# Altium PCB c8t61.PcbDoc
Units mil, origin at the board's own origin, x right, y up, seen from the top; angles counter-clockwise.
Board outline 3290 x 3191.61 mil, 2 copper layers (Top Layer, Bottom Layer); 81 components, 47 nets, 395 pads, 83 vias.
Unrouted connection lines stored in the file: 7.
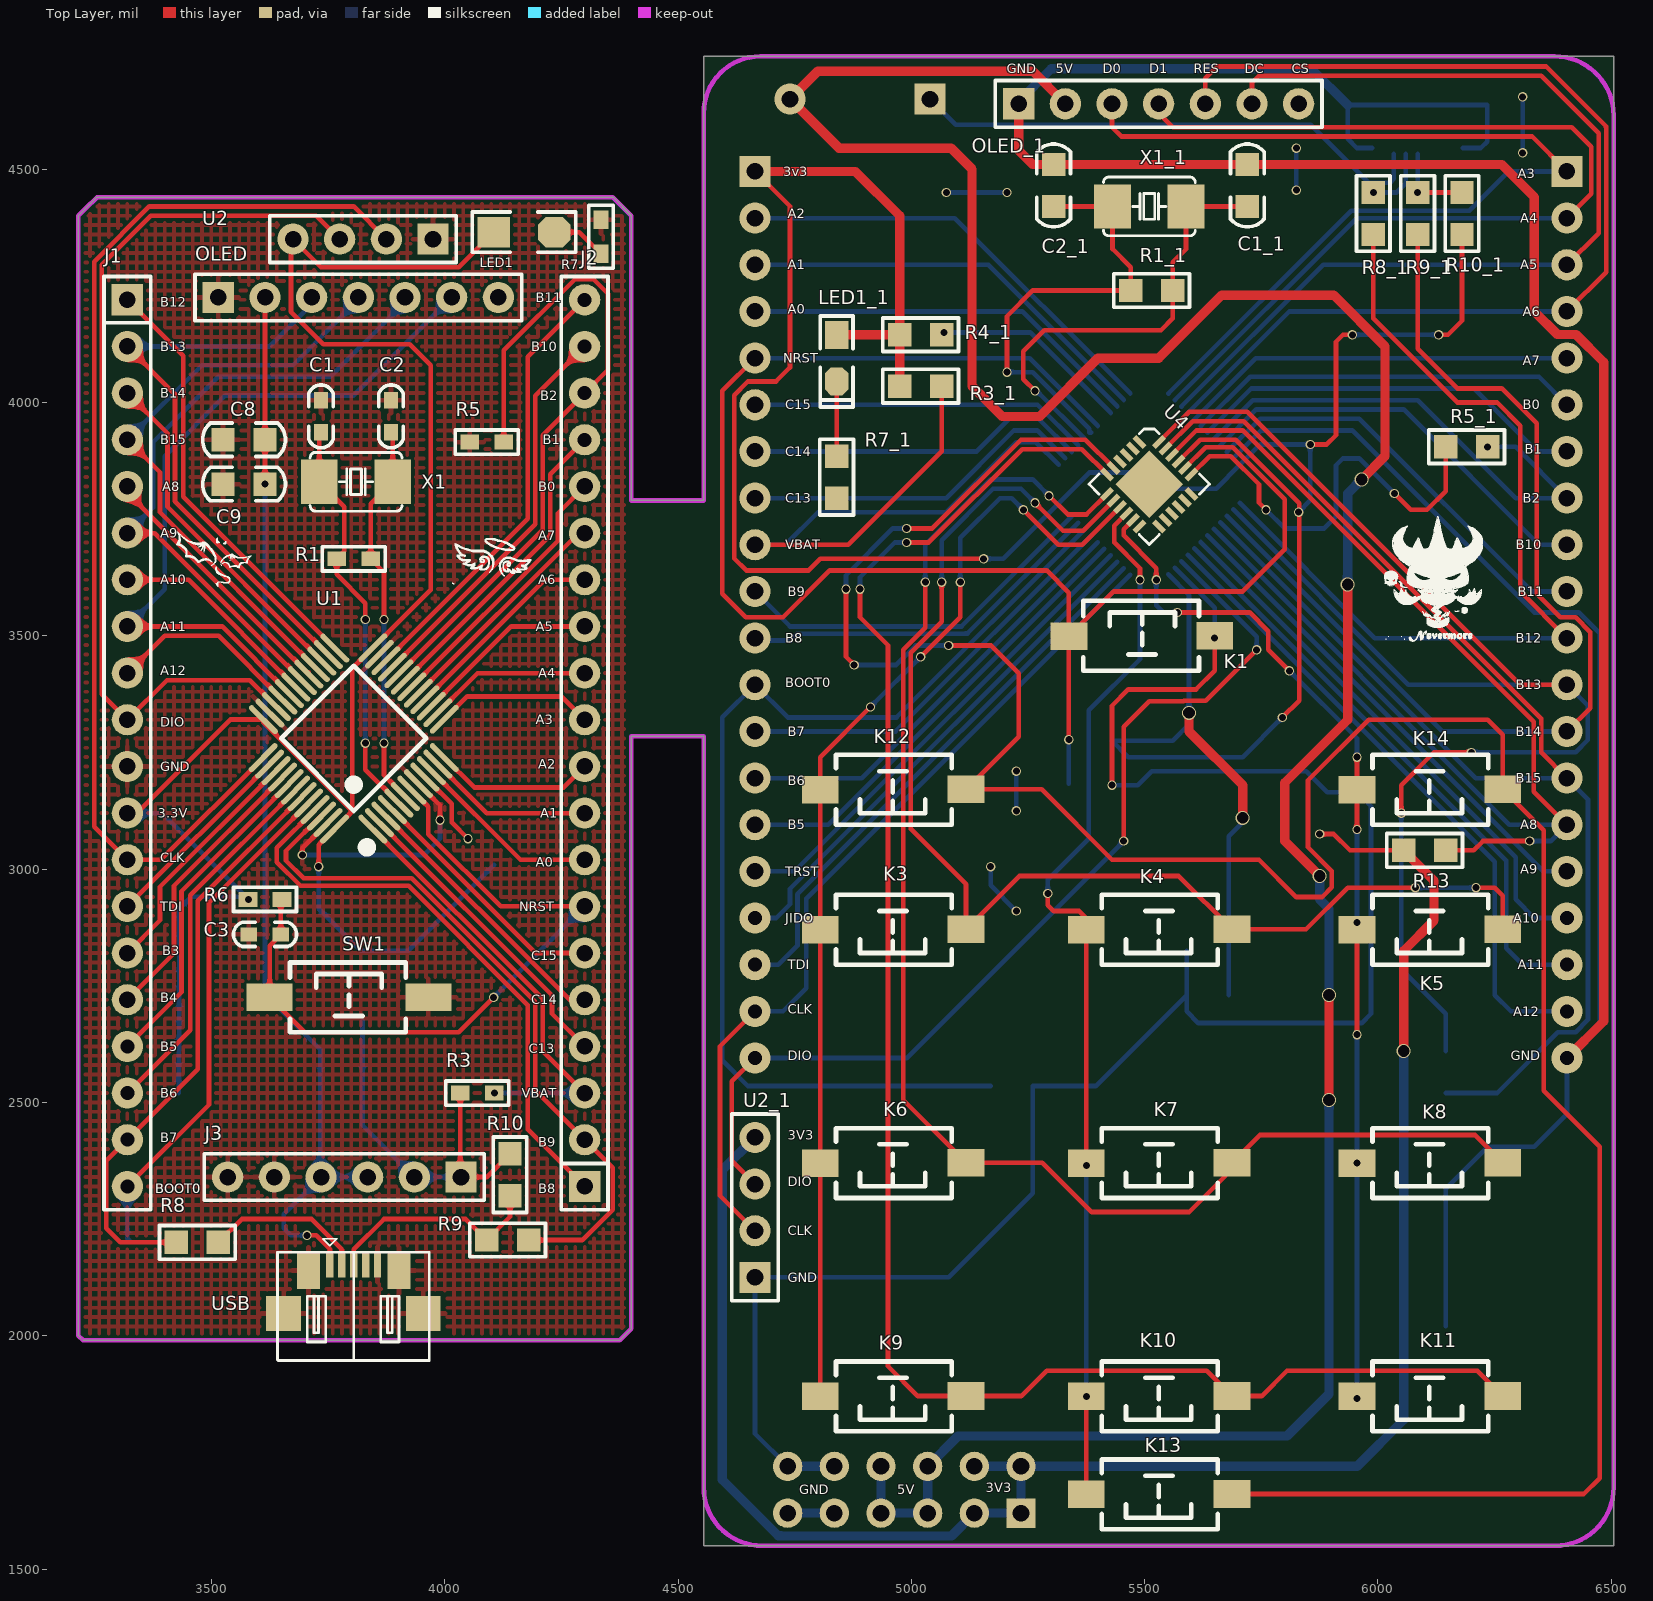
[diagram p0: Top Layer view]
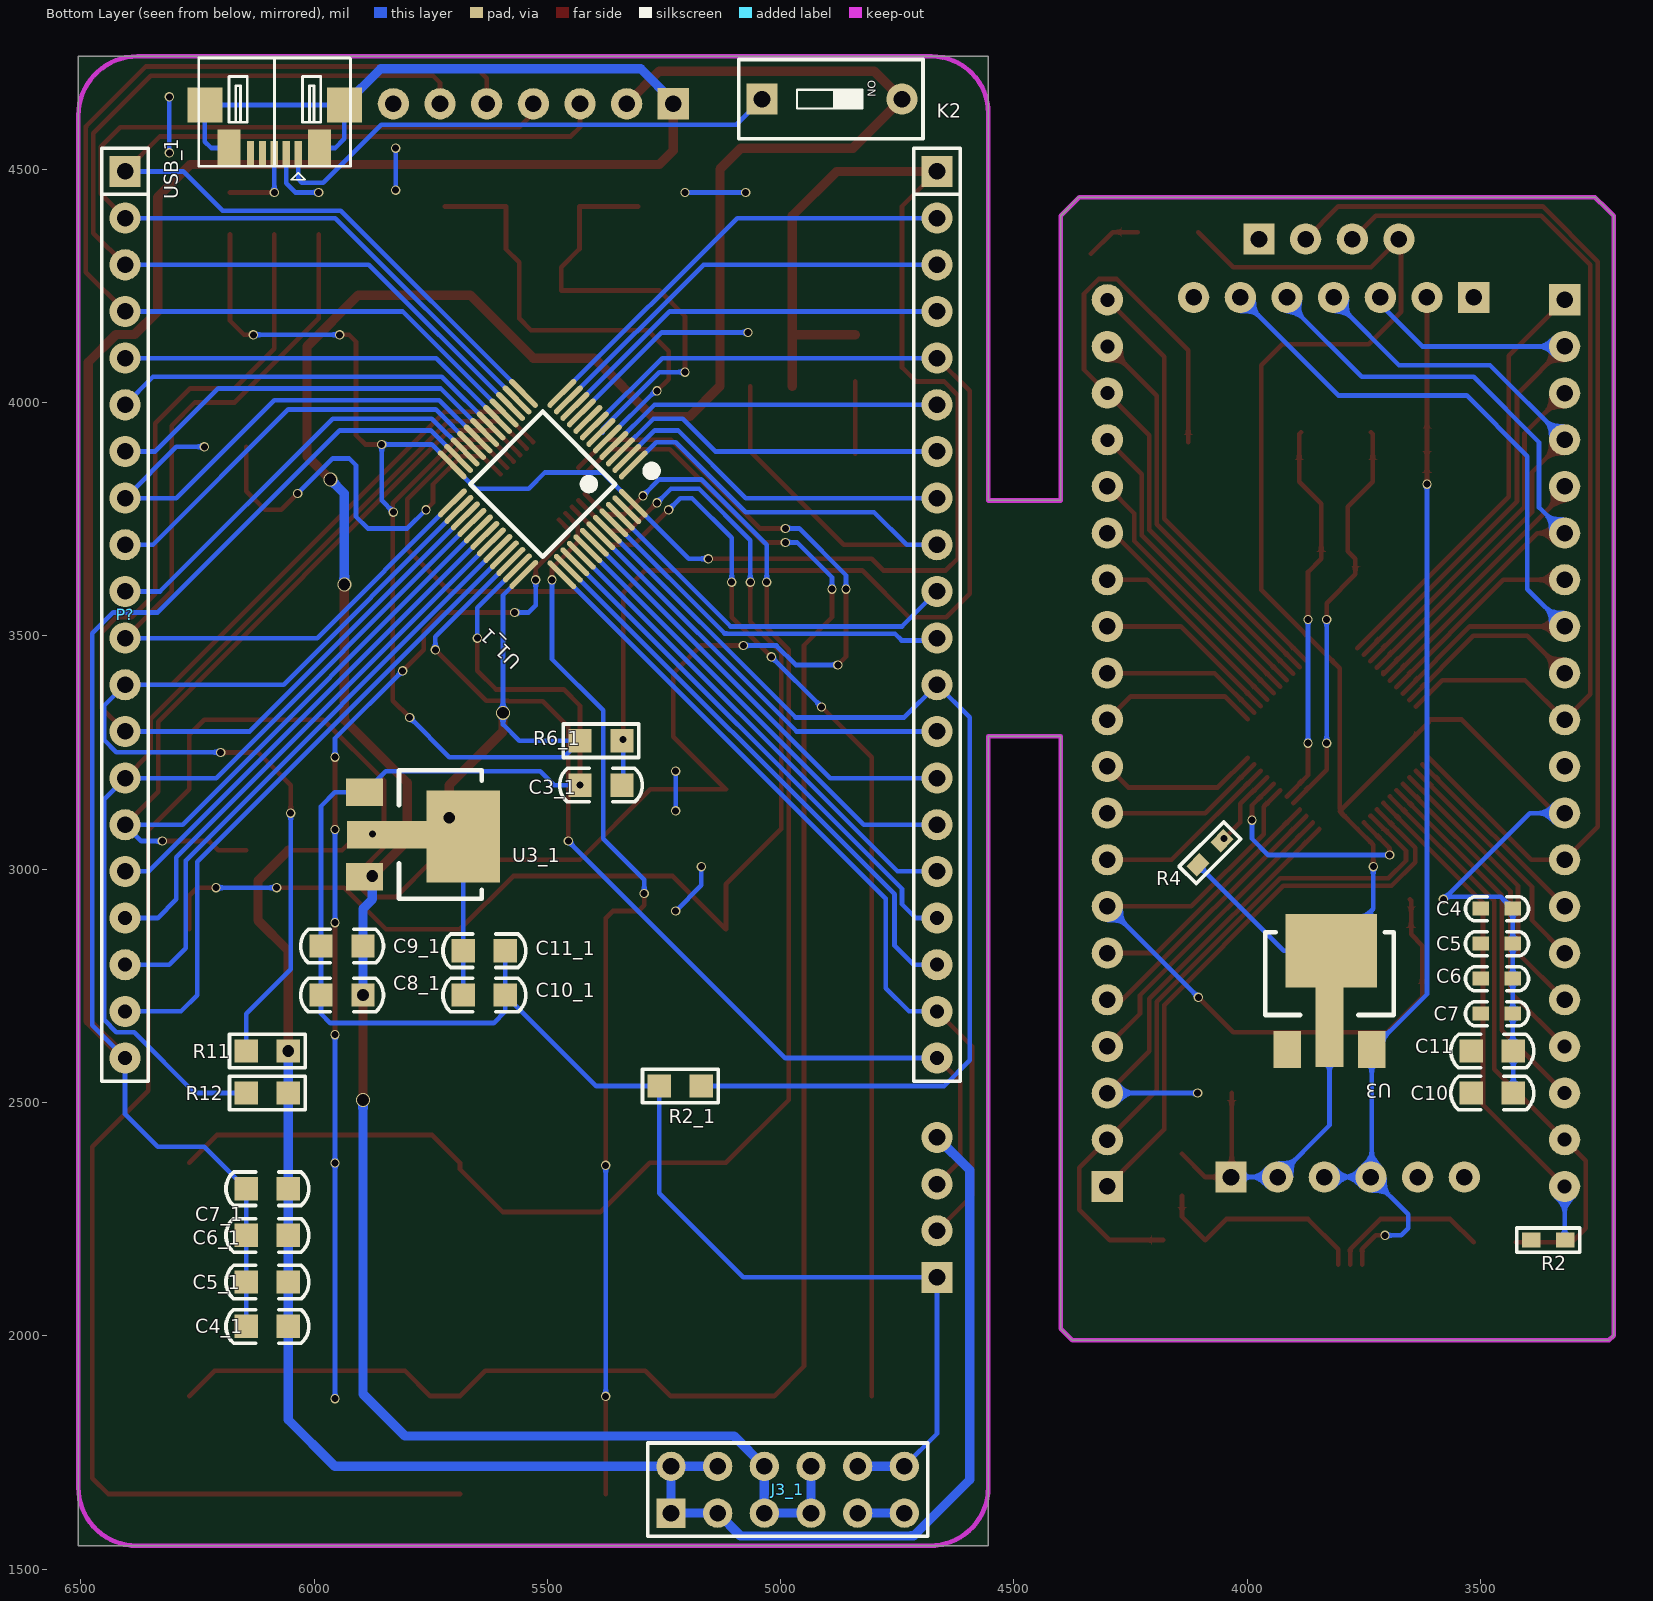
[diagram p1: Bottom Layer view, seen from below]

## Layer stack, top to bottom
Top Solder: solder mask 0.4, Solder Resist, Dk 3.5
Top Layer: signal copper 1.4
Dielectric 1: dielectric 12.6, FR-4, Dk 4.8
Bottom Layer: signal copper 1.4
Bottom Solder: solder mask 0.4, Solder Resist, Dk 3.5

## Board outline
3215,2000 3225,1990 4375,1990 4400,2015 4400,3285 4555,3285 4555,1550 6505,1550 6505,4741.61 4555,4741.61 4555,3790 4400,3790 4400,4400 4360,4440 3255,4440 3230,4415 3215,4400

## Design rules (kind name [scope] priority, off if disabled: settings)
Clearance [All] p1: gap=6 ignorepadtopadclearanceinfootprint=FALSE
PolygonConnect [All] p1: connectstyle=Relief reliefconductorwidth=10 reliefentries=4 polygonreliefangle="90 Angle" airgapwidth=10
RoutingVias [All] p1: holewidth=28 width=50 viastyle="Through Hole" minholewidth=28 minwidth=50 maxholewidth=28 maxwidth=50
SolderMaskExpansion [All] p1: expansion=4
Width [All] p1: maxlimit=20 minlimit=1 preferedwidth=10
30 further rules are at their usual default settings.

## Classes and differential pairs
component class c8t61: C1 C2 C3 C4 C5 C6 C7 C8 C9 C10 C11 J1 J2 J3 LED1 OLED R1 R2 R3 R4 R5 R6 R7 R8 R9 R10 SW1 U1 U2 U3 USB X1

## Components (designator, comment, footprint, x,y, rotation, side; value= is the part's Value field where it differs from the comment)
C1 "22pf" "C 0603" 3735,3970 r270 top
C1_1 "22pf" "C 0805" 5720,4465 r270 top (schematic designator C1)
C2 "22pf" "C 0603" 3885,3970 r270 top
C2_1 "22pf" "C 0805" 5305,4465 r270 top (schematic designator C2)
C3 "104" "C 0603" 3615,2860 r0 top
C3_1 "104" "C 0805" 5385,3180 r180 bottom locked (schematic designator C3)
C4 "104" "C 0603" 3465,2915 r180 bottom
C4_1 "104" "C 0805" 6100,2020 r180 bottom (schematic designator C4)
C5 "104" "C 0603" 3465,2840 r180 bottom
C5_1 "104" "C 0805" 6100,2115 r180 bottom (schematic designator C5)
C6 "104" "C 0603" 3465,2765 r180 bottom
C6_1 "104" "C 0805" 6100,2215 r180 bottom (schematic designator C6)
C7 "104" "C 0603" 3465,2690 r180 bottom
C7_1 "104" "C 0805" 6100,2315 r180 bottom (schematic designator C7)
C8 "10uF" "C 0805" 3570,3920 r0 top
C8_1 "10uF" "C 0805" 5940,2730 r180 bottom locked (schematic designator C8)
C9 "104" "C 0805" 3570,3825 r0 top
C9_1 "104" "C 0805" 5940,2835 r180 bottom locked (schematic designator C9)
C10 "104" "C 0805" 3475,2520 r180 bottom
C10_1 "104" "C 0805" 5635,2730 r0 bottom locked (schematic designator C10)
C11 "10uF" "C 0805" 3475,2610 r180 bottom
C11_1 "10uF" "C 0805" 5635,2825 r0 bottom locked (schematic designator C11)
J1 "Header 2X10" HDR-1X20 4665,4495 r270 bottom locked
J1 "HDR-1X20" HDR-1X20 3320,4220 r270 top
J2 "HDR-1X20" HDR-1X20 4300,2320 r90 top
J3 "HDR-1X6" HDR-1X6 4035,2340 r180 top
J3_1 "Header 6X2" HDR-6X2 5235,1620 r180 bottom (schematic designator J3)
K1 "3x6x5" "TSW SMD-3*6*2.5" 5495,3500 r0 top locked
K2 "KEY_M" "CSW DIP-1P_G" 4890,4650 r270 bottom
K3 "3x6x5" "TSW SMD-3*6*2.5" 4960,2870 r180 top locked
K4 "3x6x5" "TSW SMD-3*6*2.5" 5530,2870 r180 top locked
K5 "3x6x5" "TSW SMD-3*6*2.5" 6110,2870 r180 top locked
K6 "3x6x5" "TSW SMD-3*6*2.5" 4960,2370 r180 top locked
K7 "3x6x5" "TSW SMD-3*6*2.5" 5530,2370 r180 top
K8 "3x6x5" "TSW SMD-3*6*2.5" 6110,2370 r180 top
K9 "3x6x5" "TSW SMD-3*6*2.5" 4960,1870 r180 top locked
K10 "3x6x5" "TSW SMD-3*6*2.5" 5530,1870 r180 top
K11 "3x6x5" "TSW SMD-3*6*2.5" 6110,1870 r180 top
K12 "3x6x5" "TSW SMD-3*6*2.5" 4960,3170 r180 top
K13 "3x6x5" "TSW SMD-3*6*2.5" 5530,1660 r180 top
K14 "3x6x5" "TSW SMD-3*6*2.5" 6110,3170 r180 top
LED1 "SS24" "LED 1206G" 4170,4365 r0 top
LED1_1 "红色" "LED 0805G" 4840,4095 r270 top (schematic designator LED1)
OLED "HDR-1X7" HDR-1X7 3515,4225 r0 top
OLED_1 "OLED" HDR-1X7_M 5230,4640 r0 top (schematic designator OLED)
P? "J2" HDR-1X20 6405,4495 r270 bottom locked
R1 "1M" "R 0603" 3805,3665 r180 top
R1_1 "1M" "R 0805" 5515,4240 r0 top (schematic designator R1)
R2 "10K" "R 0603" 3355,2205 r0 bottom
R2_1 "10K" "R 0805" 5215,2535 r180 bottom (schematic designator R2)
R3 "0" "R 0603" 4070,2520 r180 top
R3_1 "0" "R 0805" 5020,4035 r180 top (schematic designator R3)
R4 "0" "R 0603" 4080,3035 r135 bottom
R4_1 "0" "R 0805" 5020,4145 r180 top (schematic designator R4)
R5 "10K" "R 0603" 4090,3915 r0 top
R5_1 "10K" "R 0805" 6190,3905 r180 top (schematic designator R5)
R6 "10K" "R 0603" 3615,2935 r0 top
R6_1 "10K" "R 0805" 5385,3275 r0 bottom locked (schematic designator R6)
R7 "1K" "R 0603" 4335,4355 r90 top
R7_1 "1K" "R 0805" 4840,3840 r90 top (schematic designator R7)
R8 "22" "R 0805" 3470,2200 r180 top
R8_1 "22" "R 0805" 5990,4405 r270 top (schematic designator R8)
R9 "22" "R 0805" 4135,2205 r0 top
R9_1 "22" "R 0805" 6085,4405 r270 top (schematic designator R9)
R10 "1.5K" "R 0805" 4140,2345 r90 top
R10_1 "1.5K" "R 0805" 6180,4405 r270 top (schematic designator R10)
R11 "4.7K" "R 0805" 6100,2610 r0 bottom
R12 "4.7K" "R 0805" 6100,2520 r0 bottom
R13 "4.7K" "R 0805" 6100,3040 r0 top
SW1 "CSW-1P" "TSW SMD-3*6*5" 3795,2725 r0 top
U1 "STM32F103C8T6" "LQFP48 7X7_M" 3805,3280 r45 top
U1_1 "STM32F103C8T6" "LQFP48 7X7_M" 5510,3825 r45 bottom locked (schematic designator U1)
U2 "HDR-1X4" HDR-1X4 3975,4350 r180 top
U2_1 "HDR-1X4" HDR-1X4 4665,2125 r90 top (schematic designator U2)
U3 "LM1117MPX" SOT-223-4 3823.94,2719.19 r270 bottom
U3_1 "LM1117MPX" SOT-223-4 5785.81,3073.94 r0 bottom locked (schematic designator U3)
U4 "TCA8418" QFN24 5509.87,3824.88 r315 top
USB "USB-5P" USB-MICRO_A 3805,2060 r0 top
USB_1 "USB-5P" USB-MICRO_A 6085,4625 r0 bottom (schematic designator USB)
X1 "8MHz" SMD5032-2 3810,3830 r180 top
X1_1 "8MHz" SMD5032-2 5510,4420 r0 top (schematic designator X1)

## Footprints (in the part's own frame and the unit in brackets; to place one, negate y for a bottom-side part, rotate by r counter-clockwise, add the part's x,y. Pads: shape width x height; smd on the part's side, far side on the other; paste and mask are expansions set on the pad)
"C 0603" [mil] "无极性贴片电容"
  rect 35x30 smd: 1(-35,0) 2(34,0)
  silkscreen extent -67,-26 67,26, body extent -31,-16 31,16, height 32
"C 0805" [mil] "无极性贴片电容"
  rect 50x50 smd: 1(-45,0) 2(45,0)
  silkscreen extent -89,-36 89,36, body extent -39,-24 39,24, height 20
"CSW DIP-1P_G" [mm] "4.1*9.9*7mm"
  rect 1.7x1.7 hole 0.9: 1(0,-3.81)
  round 1.7 hole 0.9: 2(0,3.81)
  silkscreen extent -2.16,-5.08 2.16,4.95, body extent -2.05,-4.95 2.05,4.95, height 6.65
HDR-1X4 [mm] "排针，4脚"
  rect 1.7x1.7 hole 0.9: 1(0,0)
  round 1.7 hole 0.9: 2(2.54,0) 3(5.08,0) 4(7.62,0)
  silkscreen extent -1.27,-1.27 8.89,1.27, body extent -1.27,-1.27 8.89,1.27, height 8.5
HDR-1X6 [mm] "排针，6脚"
  rect 1.7x1.7 hole 0.9: 1(0,0)
  round 1.7 hole 0.9: 2(2.54,0) 3(5.08,0) 4(7.62,0) 5(10.16,0) 6(12.7,0)
  silkscreen extent -1.27,-1.27 13.97,1.27, body extent -1.27,-1.27 13.97,1.27, height 8.5
HDR-1X7 [mm] "排针，8脚"
  rect 1.7x1.7 hole 0.9: 1(0,0)
  round 1.7 hole 0.9: 2(2.54,0) 3(5.08,0) 4(7.62,0) 5(10.16,0) 6(12.7,0) 7(15.24,0)
  silkscreen extent -1.27,-1.27 16.51,1.27, body extent -1.27,-1.27 16.51,1.27, height 8.5
HDR-1X7_M [mm] "排母，7脚"
  rect 1.7x1.7 hole 0.9: 1(0,0)
  round 1.7 hole 0.9: 2(2.54,0) 3(5.08,0) 4(7.62,0) 5(10.16,0) 6(12.7,0) 7(15.24,0)
  silkscreen extent -1.27,-1.27 16.51,1.27, body extent -1.27,-1.27 16.51,1.27, height 8.5
HDR-1X20 [mm] "排针，20脚"
  rect 1.7x1.7 hole 0.9: 1(0,0)
  round 1.7 hole 0.9: 2(2.54,0) 3(5.08,0) 4(7.62,0) 5(10.16,0) 6(12.7,0) 7(15.24,0) 8(17.78,0) 9(20.32,0) 10(22.86,0) 11(25.4,0) 12(27.94,0) 13(30.48,0) 14(33.02,0) 15(35.56,0) 16(38.1,0)
  round 1.7 hole 0.762: 17(40.64,0) 18(43.18,0) 19(45.72,0) 20(48.26,0)
  silkscreen extent -1.27,-1.27 49.53,1.27, body extent -1.27,-1.27 49.53,1.27, height 8.5
HDR-6X2 [mm] "双排排针，6x2脚"
  rect 1.6x1.6 hole 0.9: 1(0,0)
  round 1.6 hole 0.9: 2(0,2.54) 3(2.54,0) 4(2.54,2.54) 5(5.08,0) 6(5.08,2.54) 7(7.62,0) 8(7.62,2.54) 9(10.16,0) 10(10.16,2.54) 11(12.7,0) 12(12.7,2.54)
  silkscreen extent -1.27,-1.27 13.97,3.81, body extent -1.27,-1.27 13.97,3.81, height 8.5
"LED 0805G" [mil] "绿色0805LED"
  rect 60x50 smd: 1(-50,0)
  oct 60x50 smd: 2(50,0)
  silkscreen extent -90,-35 105,35, body extent -39,-25 39,25, height 32
"LED 1206G" [mil] "绿色1206LED"
  rect 70x65 smd: 1(-65,0)
  oct 70x65 smd: 2(65,0)
  silkscreen extent -111,-43 111,43, body extent -63,-32 63,32, height 40
"LQFP48 7X7_M" [mm] "48脚，体宽7x7mm，脚距0.5mm"
  oval 0.3x2.1 smd: 1(-2.75,-4.227) 2(-2.25,-4.227) 3(-1.75,-4.227) 4(-1.25,-4.227) 5(-0.75,-4.227) 6(-0.25,-4.227) 7(0.25,-4.227) 8(0.75,-4.227) 9(1.25,-4.227) 10(1.75,-4.227) 11(2.25,-4.227) 12(2.75,-4.227) 25(2.75,4.202) 26(2.25,4.202) 27(1.75,4.202) 28(1.25,4.202) 29(0.75,4.202) 30(0.25,4.202) 31(-0.25,4.202) 32(-0.75,4.202) 33(-1.25,4.202) 34(-1.75,4.202) 35(-2.25,4.202) 36(-2.75,4.202)
  oval 2.1x0.3 smd: 13(4.227,-2.75) 14(4.227,-2.25) 15(4.227,-1.75) 16(4.227,-1.25) 17(4.227,-0.75) 18(4.227,-0.25) 19(4.227,0.25) 20(4.227,0.75) 21(4.227,1.25) 22(4.227,1.75) 23(4.227,2.25) 24(4.227,2.75) 37(-4.227,2.75) 38(-4.227,2.25) 39(-4.227,1.75) 40(-4.227,1.25) 41(-4.227,0.75) 42(-4.227,0.25) 43(-4.227,-0.25) 44(-4.227,-0.75) 45(-4.227,-1.25) 46(-4.227,-1.75) 47(-4.227,-2.25) 48(-4.227,-2.75)
  silkscreen extent -3.93,-4.95 2.79,2.79, body extent -4.5,-4.5 4.5,4.5, height 1.45
QFN24 [mm]
  rect 0.8x0.3 smd: 1(-2,1.25) 2(-2,0.75) 3(-2,0.25) 4(-2,-0.25) 5(-2,-0.75) 6(-2,-1.25) 13(2,-1.25) 14(2,-0.75) 15(2,-0.25) 16(2,0.25) 17(2,0.75) 18(2,1.25)
  rect 0.3x0.8 smd: 7(-1.25,-2) 8(-0.75,-2) 9(-0.25,-2) 10(0.25,-2) 11(0.75,-2) 12(1.25,-2) 19(1.25,2) 20(0.75,2) 21(0.25,2) 22(-0.25,2) 23(-0.75,2) 24(-1.25,2)
  rect 2.6x2.6 smd: 25(0.005,0)
  silkscreen extent -2.32,-2.32 2.32,2.32, body extent -2,-2 2.01,2, height 0.9
"R 0603" [mil] "1/10W贴片电阻"
  rect 40x31.5 smd: 1(-36.5,0) 2(36.5,0)
  silkscreen extent -68,-26 68,26, body extent -31,-16 32,16, height 16
"R 0805" [mil] "1/8W贴片电阻"
  rect 50x50 smd: 1(-45,0) 2(45,0)
  silkscreen extent -81,-36 81,36, body extent -39,-25 39,25, height 20
SMD5032-2 [mm]
  rect 2x2.4 smd: 1(-2,0) 2(2,0)
  silkscreen extent -2.5,-1.6 2.5,1.6
SOT-223-4 [mm]
  rect 2x1.5 smd: 1(2.687,-2.3) 3(2.687,2.3)
  rect 4x5 smd: 2(-2.687,0.1)
  rect 5x1.5 smd: 2(1.137,0)
  silkscreen extent -3.69,-3.5 0.81,3.5
"TSW SMD-3*6*2.5" [mm] "3*6*2.5mm"
  rect 2x1.5 smd: 1(-3.996,-0.02) 2(3.937,0)
  silkscreen extent -3.21,-1.9 3.09,1.9, body extent -4,-1.88 4,1.62, height 2.59
"TSW SMD-3*6*5" [mm] "3*6*5mm"
  rect 2.5x1.5 smd: 1(-4.318,0) 2(4.318,0)
  silkscreen extent -3.21,-1.9 3.09,1.9, body extent -4.6,-1.75 4.6,1.75, height 5.1
USB-MICRO_A [mm] "micro型USB ，5.9*8.2*2.5mm"
  rect 0.4x1.4 smd: 1(-1.296,2.355) 2(-0.648,2.355) 3(0,2.355) 4(0.648,2.355) 5(1.295,2.355)
  rect 1.9x1.9 smd: 5(-3.81,-0.312) 5(3.784,-0.312)
  rect 1.25x2 smd: 5(-2.464,2.025) 5(2.464,2.025)
  silkscreen extent -4.14,-2.89 4.11,3.75, body extent -3.98,-2.77 3.98,2.65, height 2.69

## Part data
C1 C1_1 C2 C2_1 C3 C3_1 C4 C4_1 C5 C5_1 C6 C6_1 C7 C7_1: library part C, "无极性贴片电容", BOM名称=无极性贴片电容, 学习资源=www.ooocke.com, 版权归属=源创客
C8 C8_1 C9 C9_1 C10 C10_1 C11 C11_1: library part C
J1: library part "Header 10X2", "10*2P接插件", BOM名称=10*2P接插件, 学习资源=www.ooocke.com, 版权归属=源创客
J1 J2: library part "Header 20", "20P接插件", BOM名称=20P接插件, 学习资源=www.ooocke.com, 版权归属=源创客
J3: library part "Header 6", "6P接插件", BOM名称=6P接插件, 学习资源=www.ooocke.com, 版权归属=源创客
J3_1: library part "Header  6X2", "6*2P接插件", BOM名称=6*2P接插件, 学习资源=www.ooocke.com, 版权归属=源创客
K1 K3 K4 K5 K6 K7 K8 K9 K10 K11 K12 K13 K14: library part "TSW 3x6", "3x6轻触开关", BOM名称=3x6轻触开关, 学习资源=www.ooocke.com, 版权归属=源创客
LED1: "肖特基二极管", BOM名称=肖特基二极管, 学习资源=www.ooocke.com, 属性=40V/2A, 版权归属=源创客
LED1_1: library part LED-SMD, "贴片LED", BOM名称=贴片LED, 学习资源=www.ooocke.com, 版权归属=源创客
OLED: library part "Header 7", "7P接插件", BOM名称=7P接插件, 学习资源=www.ooocke.com, 版权归属=源创客
P?: library part "Header 10X2", "Header, 10-Pin, Dual row", LatestRevisionDate=17-Jul-2002, LatestRevisionNote="Re-released for DXP Platform.", Publisher="Altium Limited"
R1 R2 R2_1 R3 R3_1 R4 R4_1 R5 R5_1 R6 R6_1 R7 R7_1 R11 R12 R13: library part R, "贴片电阻", BOM名称=贴片电阻, 学习资源=www.ooocke.com, 版权归属=源创客
R1_1: library part R-CRR, "直插色环电阻", BOM名称=色环电阻, 学习资源=www.ooocke.com, 版权归属=源创客
R8 R8_1 R9 R9_1 R10 R10_1: library part R
SW1: "2路编码开关", BOM名称=2路编码开关, 学习资源=www.ooocke.com, 版权归属=源创客
U1 U1_1: "Flaah:64/RAM:20/IO:36", BOM名称=32位STM单片机, 学习资源=www.ooocke.com, 版权归属=源创客
U2 U2_1: library part "Header 4", "4P接插件", BOM名称=4P接插件, 学习资源=www.ooocke.com, 版权归属=源创客
U3 U3_1: "NS 800mA Low-Dropout Linear Regulator"
U4: library part Component_1
USB USB_1: "微型USB母座", BOM名称=微型USB母座, 学习资源=www.ooocke.com, 版权归属=源创客
X1 X1_1: library part XTAL-2, "2脚晶振", BOM名称=2脚晶振, 学习资源=www.ooocke.com, 版权归属=源创客

## Via types
v1: diameter 20, hole 15, Top Layer to Bottom Layer, 75 vias
v2: diameter 30, hole 25, Top Layer to Bottom Layer, 8 vias

## Nets (pads, with @x,y where several pads share a name; then routed paths per layer and width w, separated by ;. In a path a pad name is that pad's centre, name@x,y a point inside that pad or via, vN(x,y) a via of type N, cw(c..) or ccw(c..) an arc to the next point about the centre after c; other vN are vias at no path point)
3.3v: C4.2 C5.2 C6.2 C7.2 C10.2 C11.2 J1.12@3320,3120 J3.1 J3.2 LED1.1 R3.2 R4.1 R6.1 R10.2 U1.24 U1.36 U1.48 U2.4 U3.2 | length 5060.3
  Top Layer w10: J1.12@3320,3120 3340,3120 3540.41,3320.41 U1.36 3611.48,3314.18 3801.89,3123.77 U1.48 3730,3051.89 v1(3730,3005) ; 3801.89,3130 3801.89,3430 U1.24 3970,3598.11 3970,4080 3925,4125 3740,4125 3670.54,4194.46 3670.54,4345.54 U2.4 3735,4290 4030,4290 LED1.1 ; R3.2 4033.5,2341.5 J3.1 4090,2340 R10.2
  Bottom Layer w10: J1.12@3320,3120 3395,3120 v1@3574,2941 ; C10.2 C11.2 3431,2611 C7.2 C6.2 C5.2 C4.2 3457,2941 v1@3574,2941 ; v1(3580,2935) v1@3574,2941 ; v1(3730,3005) 3730,2915 3820,2825 3921.62,2825 R4.1 ; U3.2@3823.94,2674.41 3823.94,2451.06 J3.2 J3.1
5v: C8.2 C9.2 J3.3 J3.4 OLED.2 U3.3 USB.1 | length 2328.3
  Top Layer w10: v1(3615,3825) C8.2 OLED.2 ; v1(3705,2215) 3725,2215 3753.99,2186.01 USB.1
  Bottom Layer w10: v1(3615,3825) 3615,2731.77 U3.3 3733.39,2341.61 J3.4 ; v1(3705,2215) 3670,2215 3655,2230 3655,2260 J3.4 ; J3.3 J3.4
BOOT0: J1.20@3320,2320 R2.1 U1.44 | length 1098.7
  Top Layer w10: J1.20@3320,2320 3495,2495 3495,2928.24 U1.44
  Bottom Layer w10: J1.20@3320,2320 3320,2208.5 R2.1@3323.5,2205
CLK: J1.13@3320,3020 U1.37 U2.2 | length 2396.5
  Top Layer w10: U1.37 3391.89,3020 3320,3020 3249,3091 3249,4301.63 3367.37,4420 3805,4420 U2.2
DIO: J1.10@3320,3320 U1.34 U2.3 | length 1950
  Top Layer w10: U1.34 3582.56,3405 3405,3405 3320,3320 3265,3375 3265,4295 3370,4400 3725,4400 U2.3
GND: C1.1 C2.1 C3.1 C4.1 C5.1 C6.1 C7.1 C8.1 C9.1 C10.1 C11.1 J1.11@3320,3220 J3.5 J3.6 J3_1.9 J3_1.10 J3_1.11 J3_1.12 OLED.1 OLED_1.1 P?.20 R2.2 R5.1 R7.2 SW1.2 U1.8 U1.23 U1.35 U1.47 U2.1 U2_1.1 U3.1 USB.5 | length 1082.2
  Top Layer w10: v1(3695,3030) 3695,3044.73 U1.47 ; U1.8 3990,3136.76 v1(3990,3105)
  Bottom Layer w10: v1(3695,3030) 3955,3030 3990,3065 v1(3990,3105) ; v1(5075,4450) v1(5205,4450) ; v1(5170,3005) 5170,2965 v1(5225,2910) ; v1(5225,3125) v1(5225,3210) ; v1(5825,4455) v1(5825,4545) ; v1(6310,4535) v1(6310,4655)
  other v1: 5430,3180 5650,3495 5760,3770 6035,3805
JTDO/PB3: J1.15@3320,2820 U1.39 | length 523
  Top Layer w10: J1.15@3320,2820 3390,2890 3390,2962.44 U1.39
NetLED1_2: LED1.2 R7.1 | length 119.3
  Top Layer w10: LED1.2 4288.5,4365 R7.1
NetR8_1: R8.1 USB.2 | length 344.7
  Top Layer w10: R8.1 3565,2250 3715,2250 3779.49,2185.51 USB.2
NetR9_1: R9.1 R10.1 USB.3 | length 478.6
  Top Layer w10: USB.3 3804.99,2184.99 3870,2250 4045,2250 R9.1 4140,2255 R10.1
NRST: C3.2 J2.7 R6.2 SW1.1 U1.7 | length 1547
  Top Layer w10: R6.2 3649,2932.5 C3.2 3625,2836 SW1.1 3700,2650 4030,2650 v1(4105,2725) ; U1.7 3965,3133.92 3965,3075 4120,2920 J2.7
  Bottom Layer w10: v1(4105,2725) J2.7
"OSC IN": C1.2 R1.2 U1.5 X1.2 | length 880.4
  Top Layer w10: C1.2 3731.26,3932.26 X1.2 3785,3776.26 3785,3681.5 R1.2 3768.5,3631.5 3830,3570 v1(3830,3535) ; v1(3830,3270) 3830,3213.24 U1.5
  Bottom Layer w10: v1(3830,3270) v1(3830,3535)
"OSC OUT": C2.2 R1.1 U1.6 X1.1 | length 832.5
  Top Layer w10: v1(3870,3270) 3870,3201.08 U1.6 ; v1(3870,3535) 3870,3636.5 R1.1 3841.5,3782.76 X1.1 3888.74,3932.26 C2.2
  Bottom Layer w10: v1(3870,3270) v1(3870,3535)
PA0: J2.8 U1.10 | length 407.7
  Top Layer w10: U1.10 4162.44,3020 J2.8
PA1: J2.9 U1.11 | length 358.2
  Top Layer w10: U1.11 4090.27,3120 J2.9
PA2: J2.10 U1.12 | length 372.6
  Top Layer w10: U1.12 4063.11,3175 4255,3175 J2.10 J2.10@4281.12,3238.88
PA3: J2.11 U1.13 | length 341.7
  Top Layer w10: U1.13 4048.11,3370 4250,3370 J2.11
PA4: J2.12 U1.14 | length 349.9
  Top Layer w10: U1.14 4070.27,3420 J2.12
PA5: J2.13 U1.15 | length 399.5
  Top Layer w10: U1.15 4142.44,3520 J2.13
PA6: J2.14 U1.16 | length 449
  Top Layer w10: U1.16 4214.6,3620 J2.14
PA7: J2.15 U1.17 | length 498.6
  Top Layer w10: U1.17 4286.76,3720 J2.15
PA8: J1.5@3320,3820 U1.29 | length 567.2
  Top Layer w10: J1.5@3320,3820 3320,3806.76 U1.29 U1.29@3708.91,3421.78
PA9: J1.6@3320,3720 OLED.5 U1.30 | length 1396.7
  Top Layer w10: J1.6@3320,3720 3378.92,3720 U1.30
  Bottom Layer w10: J1.6@3320,3720 3375,3775 3375,3915 3515,4055 3755,4055 3900,4200 OLED.5@3900,4230
PA10: J1.7@3320,3620 U1.31 | length 456.3
  Top Layer w10: J1.7@3320,3620 3451.08,3620 U1.31
PA11: J1.8@3320,3520 OLED.6 U1.32 | length 1570.7
  Top Layer w10: J1.8@3320,3520 3523.24,3520 U1.32
  Bottom Layer w10: J1.8@3320,3520 3400,3600 3400,3885 3530,4015 3805,4015 OLED.6 ; OLED.6@3990,4225 OLED.6@4000,4225
PA12: J1.9@3320,3420 U1.33 | length 423.5
  Top Layer w10: J1.9@3320,3420 3400,3500 3515.4,3500 U1.33
PB0: J2.16 U1.18 | length 582.7
  Top Layer w10: U1.18 4242,3703.08 4242,3762 J2.16
PB1: J2.17 U1.19 | length 674.5
  Top Layer w10: U1.19 4226,3714.92 4226,3846 J2.17
PB2: J2.18 R5.2 U1.20 | length 1496.4
  Top Layer w10: U1.20 4210,3726.76 4210,3930 J2.18 4350,4070 4350,4232.88 4318.42,4264.46 4279.46,4264.46 4126.5,4111.5 R5.2
PB4: J1.16@3320,2720 U1.40 | length 614.9
  Top Layer w10: J1.16@3320,2720 3420,2820 3420,2964.6 U1.40
PB5: J1.17@3320,2620 U1.41 | length 706.7
  Top Layer w10: J1.17@3320,2620 3436,2736 3436,2952.76 U1.41
PB6: J1.18@3320,2520 U1.42 | length 798.6
  Top Layer w10: J1.18@3320,2520 3455,2655 3455,2943.92 U1.42
PB7: J1.19@3320,2420 R8.2 U1.43 | length 1261.5
  Top Layer w10: R8.2 3305,2200 3275,2230 3275,2375 3320,2420 3471,2571 3471,2932.08 U1.43
PB8: J2.1 U1.45 | length 1270.6
  Top Layer w10: U1.45 3640,3045.4 3640,3015 3691,2964 3922.63,2964 4178,2708.63 4178,2442 J2.1 J2.1@4280,2320
PB9: J2.2 R9.2 U1.46 | length 1508.8
  Top Layer w10: U1.46 3734.18,3113.61 3660,3039.42 3660,3017.63 3697.63,2980 3929.26,2980 4194,2715.26 4194,2526 J2.2 4360,2360 4360,2270 4295,2205 R9.2
PB10: J2.19 U1.21 | length 858.2
  Top Layer w10: U1.21 4194,3738.6 4194,4014 J2.19
PB11: J2.20 U1.22 | length 950.1
  Top Layer w10: U1.22 4178,3750.44 4178,4098 J2.20
PB12: J1.1@3320,4220 U1.25 | length 930.6
  Top Layer w10: J1.1@3320,4220 3440,4100 3440,3798.11 U1.25
PB13: J1.2@3320,4120 OLED.3 U1.26 | length 1279.9
  Top Layer w10: J1.2@3320,4120 3422,4018 3422,3788.27 U1.26
  Bottom Layer w10: J1.2@3320,4120 3625,4120 3700,4195 OLED.3@3700,4225
PB14: J1.3@3320,4020 U1.27 | length 746.9
  Top Layer w10: J1.3@3320,4020 3406,3934 3406,3776.44 U1.27
PB15: J1.4@3320,3920 OLED.4 U1.28 | length 1273.5
  Top Layer w10: J1.4@3320,3920 3390,3850 3390,3764.6 U1.28 U1.28@3722.83,3432.17
  Bottom Layer w10: J1.4@3320,3920 3480,4080 3675,4080 3800,4205 OLED.4@3800,4225
PC13: J2.4 U1.2 | length 661.9
  Top Layer w10: U1.2 4230,2729.73 4230,2690 J2.4
PC14: J2.5 U1.3 | length 589.1
  Top Layer w10: U1.3 4267.56,2720 J2.5
PC15: J2.6 U1.4 | length 539.5
  Top Layer w10: U1.4 4195.4,2820 J2.6
TDI: J1.14@3320,2920 U1.38 | length 431.2
  Top Layer w10: J1.14@3320,2920 3320,2920.27 U1.38
VBAT: J2.3 R3.1 U1.1 | length 947.3
  Top Layer w10: U1.1 4210,2721.89 4210,2610 J2.3
  Bottom Layer w10: v1(4106.5,2520) J2.3
VDDA: R4.2 U1.9 | length 170.4
  Top Layer w10: U1.9 4015,3139.6 4015,3100 v1(4050,3065)
pads on no net: C1_1.1 C1_1.2 C2_1.1 C2_1.2 C3_1.1 C3_1.2 C4_1.1 C4_1.2 C5_1.1 C5_1.2 C6_1.1 C6_1.2 C7_1.1 C7_1.2 C8_1.1 C8_1.2 C9_1.1 C9_1.2 C10_1.1 C10_1.2 C11_1.1 C11_1.2 J1.1@4665,4495 J1.2@4665,4395 J1.3@4665,4295 J1.4@4665,4195 J1.5@4665,4095 J1.6@4665,3995 J1.7@4665,3895 J1.8@4665,3795 J1.9@4665,3695 J1.10@4665,3595 J1.11@4665,3495 J1.12@4665,3395 J1.13@4665,3295 J1.14@4665,3195 J1.15@4665,3095 J1.16@4665,2995 J1.17@4665,2895 J1.18@4665,2795 J1.19@4665,2695 J1.20@4665,2595 J3_1.1 J3_1.2 J3_1.3 J3_1.4 J3_1.5 J3_1.6 J3_1.7 J3_1.8 K1.1 K1.2 K2.1 K2.2 K3.1 K3.2 K4.1 K4.2 K5.1 K5.2 K6.1 K6.2 K7.1 K7.2 K8.1 K8.2 K9.1 K9.2 K10.1 K10.2 K11.1 K11.2 K12.1 K12.2 K13.1 K13.2 K14.1 K14.2 LED1_1.1 LED1_1.2 OLED.7 OLED_1.2 OLED_1.3 OLED_1.4 OLED_1.5 OLED_1.6 OLED_1.7 P?.1 P?.2 P?.3 P?.4 P?.5 P?.6 P?.7 P?.8 P?.9 P?.10 P?.11 P?.12 P?.13 P?.14 P?.15 P?.16 P?.17 P?.18 P?.19 R1_1.1 R1_1.2 R2_1.1 R2_1.2 R3_1.1 R3_1.2 R4_1.1 R4_1.2 R5_1.1 R5_1.2 R6_1.1 R6_1.2 R7_1.1 R7_1.2 R8_1.1 R8_1.2 R9_1.1 R9_1.2 R10_1.1 R10_1.2 R11.1 R11.2 R12.1 R12.2 R13.1 R13.2 U1_1.1 U1_1.2 U1_1.3 U1_1.4 U1_1.5 U1_1.6 U1_1.7 U1_1.8 U1_1.9 U1_1.10 U1_1.11 U1_1.12 U1_1.13 U1_1.14 U1_1.15 U1_1.16 U1_1.17 U1_1.18 U1_1.19 U1_1.20 U1_1.21 U1_1.22 U1_1.23 U1_1.24 U1_1.25 U1_1.26 U1_1.27 U1_1.28 U1_1.29 U1_1.30 U1_1.31 U1_1.32 U1_1.33 U1_1.34 U1_1.35 U1_1.36 U1_1.37 U1_1.38 U1_1.39 U1_1.40 U1_1.41 U1_1.42 U1_1.43 U1_1.44 U1_1.45 U1_1.46 U1_1.47 U1_1.48 U2_1.2 U2_1.3 U2_1.4 U3_1.1 U3_1.2 U3_1.3 U4.1 U4.2 U4.3 U4.4 U4.5 U4.6 U4.7 U4.8 U4.9 U4.10 U4.11 U4.12 U4.13 U4.14 U4.15 U4.16 U4.17 U4.18 U4.19 U4.20 U4.21 U4.22 U4.23 U4.24 U4.25 USB.4 USB_1.1 USB_1.2 USB_1.3 USB_1.4 USB_1.5 X1_1.1 X1_1.2
copper on no net: | length 111496
  Top Layer w10: 4665,2225 4590,2300 4590,2620 4665,2695 ; 4665,2325 4615,2375 4615,2545 4665,2595 ; 4665,3695 4865,3695 5065,3895 5065,4035 ; 4665,4095 4595,4025 4595,3590 4645,3540 4725,3540 4825,3640 5290,3640 5337.69,3592.31 5337.69,3499.21 ; 4665,4495 4740,4420 4740,4075 4710,4045 4650,4045 4620.54,4015.54 4620.54,3665.51 4646.05,3640 4780,3640 4805,3665 v1(5155,3665) ; 4805,1870 4805,2370 4805,2870 4805,3170 4805,3240 v1(4912.5,3347.5) ; 4840,3890 4840,4045 ; v1(4860,3600) 4860,3455 v1(4877.5,3437.5) ; v1(4890,3600) 4890,3540 4950,3480 4950,1935 5014.21,1870.79 5117.31,1870.79 5235.79,1870.79 5290,1925 5633.1,1925 5687.31,1870.79 5750.79,1870.79 5805,1925 6213.1,1925 6267.31,1870.79 ; v1(4990,3700) 5037.63,3700 5237.63,3900 5365.15,3900 5419.39,3845.75 ; v1(4990,3730) 5045,3730 5235,3920 5372.98,3920 5433.31,3859.67 ; v1(5020,3455) 5105,3540 v1(5105,3615) ; v1(5030,3615) 5030,3517.33 4983,3470.33 4983,2505.1 5117.31,2370.79 5280.79,2370.79 5386.57,2265 5595,2265 5687.31,2357.31 5687.31,2370.79 5746.53,2430 6208.1,2430 6267.31,2370.79 ; v1(5065,3615) 5065,3529.7 4999,3463.7 4999,3086 5117.31,2967.69 5117.31,2870.79 5231.53,2985 5573.1,2985 5687.31,2870.79 5845.79,2870.79 5935,2960 v1(6080,2960) ; v1(5080,3479) 5171,3479 5230,3420 5230,3283.47 5117.31,3170.79 5279.21,3170.79 5430,3020 5745,3020 5825,2940 5880,2940 5901,2961 5901,2995.77 5850,3046.77 5850,3190 5980,3320 6235,3320 6267.31,3287.69 6267.31,3170.79 6355,3083.1 6355,2525 6475,2405 6475,1695 6440.79,1660.79 5687.31,1660.79 ; v1(5205,4065) 5205,4185 5260,4240 5470,4240 5470,4290 5431.26,4328.74 5431.26,4420 5305,4420 ; v1(5240,3770) 5315,3695 5366.07,3695 5447.23,3776.16 ; v1(5265,3785) 5325,3725 5368.23,3725 5433.31,3790.08 ; v1(5265,4025) 5240,4050 5240,4110 5285,4155 5535,4155 5560,4180 5560,4240 5560,4300 5588.74,4328.74 5588.74,4420 5720,4420 ; v1(5292.5,2947.5) 5292.5,2922.5 5305,2910 5360,2910 5375,2895 5375,2870 5375,2370 v1(5375,2365) ; v1(5295,3800) 5335,3760 5375.39,3760 5419.39,3804 ; v1(5337.69,3277.31) 5337.69,3499.21 ; 5375,1660 v1(5375,1870) ; 5430,3180 5430,3350 5465,3385 5610,3385 5650,3425 5650,3495 5650,3500 ; 5430,4640 5430,4590 5450,4570 6330,4570 6405,4495 ; v1(5455,3060) 5455,3305 5510,3360 5583.23,3360 5584.23,3361 5631,3361 v1(5740,3470) ; 5461.15,3762.24 5435,3736.09 5435,3700 5490,3645 v1(5490,3620) ; 5475.07,3748.32 5455,3728.25 5455,3715 5525,3645 v1(5525,3620) ; 5530,4640 5530,4620 5560,4590 6415,4590 6457,4548 6457,4447 6405,4395 ; 5530.75,3915.35 5595.39,3980 5720,3980 6305,3395 6405,3395 ; 5544.67,3901.43 5603.23,3960 5712.63,3960 6350,3322.63 6350,3250 6405,3195 ; 5558.58,3887.51 5611.07,3940 5710,3940 6334,3316 6334,3166 6405,3095 ; v1(5570,3550) 5725,3550 5765,3510 5765,3470 v1(5810,3425) ; 5572.5,3873.59 5618.91,3920 5695,3920 5831,3784 5831,3361 v1(5795,3325) ; 5586.42,3859.67 5630.75,3904 5688.37,3904 5800,3792.37 5800,3685 5710,3595 5433.47,3595 5337.69,3499.21 ; 5600.34,3845.75 5639.59,3885 5684.75,3885 5745,3824.75 5745,3785 5760,3770 ; 5630,4640 5630,4695 5655,4720 6360,4720 6488.72,4591.28 6488.72,4589.69 6489,4589.41 6489,4279 6405,4195 ; 5730,4640 5730,4685 5745,4700 6350,4700 6473,4577 6473,4363 6405,4295 6407,4295 ; v1(5855,3910) 5890,3910 5910,3930 5910,4130 5925,4145 v1(5945,4145) ; v1(5875,3075) 5905,3075 5940,3040 6055,3040 ; v1(5955,2645) 5955,2870 v1(5955,2885) ; v1(5955,3085) 5955,3170 v1(5955,3240) ; 5990,4360 5990,4180 6170,4000 6255,4000 6305,3950 6305,3595 6405,3495 ; 6035,3805 6070,3770 6105,3770 6145,3810 6145,3905 ; v1(6050,3120) 6050,3180 6120,3250 v1(6200,3250) ; 6085,4360 6085,4115 6170,4030 6265,4030 6340,3955 6340,3590 6390.54,3539.46 6423.42,3539.46 6455,3507.88 6455,3345 6405,3295 ; v1(6085,4450) 6180,4450 ; v1(6130,4145) 6150,4145 6180,4175 6180,4360 ; 6145,3040 6205,3040 6225,3060 v1(6325,3060) ; v1(6210,2960) 6250,2960 6267.31,2942.69 6267.31,2870.79
  Top Layer w20: 4665,4495 4880,4495 4975,4400 4975,4145 ; 4840,4145 4975,4145 ; 4975,4035 4975,4145 ; 5230,4640 5230,4540 5260,4510 5305,4510 5720,4510 6265,4510 6335,4440 6335,4195.05 6384.51,4145.54 6424.42,4145.54 6484,4085.95 6484,2674 6405,2595 ; 5330,4640 5260,4710 4800,4710 4740,4650 4845,4545 5085,4545 5130,4500 5130,4035 5195,3970 5275,3970 5400,4095 5530,4095 5665,4230 5905,4230 6015,4120 6015,3885 v2(5965,3835) ; v2(5595,3335) 5595,3295 5710,3180 v2(5710,3110) ; v2(5875,2985) 5800,3060 5800,3185 5935,3320 v2(5935,3610) ; v2(5895,2505) v2(5895,2730) ; v2(6055,2610) 6055,2825 6120,2890 6120,2975 6055,3040
  Bottom Layer w10: 4665,2595 4990,2595 v1(5455,3060) ; 4665,2695 4725,2695 4775,2745 4775,2936.89 5468.88,3630.77 ; 4665,2795 4715,2795 4756,2836 4756,2945.73 5454.96,3644.69 ; 4665,2895 4710,2895 4740,2925 4740,2957.56 5441.04,3658.61 ; 4665,2995 4749.6,2995 5427.12,3672.53 ; 4665,3095 4821.76,3095 5413.2,3686.45 ; 4665,3195 4893.92,3195 5399.28,3700.37 ; 4665,3295 4966.08,3295 5385.37,3714.28 ; 4665,3595 4740,3520 5107.56,3520 5343.61,3756.04 ; 4665,3695 4730,3695 4800,3765 5075,3765 5225,3915 5266.89,3915 5315.77,3866.12 ; 4665,3795 5075,3795 5220,3940 5269.73,3940 5329.69,3880.04 ; 4665,3895 5140,3895 5210,3965 5272.56,3965 5343.61,3893.96 ; 4665,3995 5270.4,3995 5357.53,3907.88 ; 4665,4095 5253.92,4095 5399.28,3949.63 ; 4665,4195 5237.44,4195 5441.04,3991.39 ; 4665,4295 5165.27,4295 5454.96,4005.31 ; 4665,4395 5093.11,4395 5468.88,4019.23 ; 4675,3505 4665,3495 4670,3490 4741,3490 4755,3504 5114.19,3504 5115.19,3505 5120.4,3505 5357.53,3742.12 ; 4735,1720 4665,1790 4665,2125 5080,2125 5260,2305 5260,2535 5395,2535 5590,2730 ; v1(4860,3600) 4860,3630 4960,3730 v1(4990,3730) ; v1(4877.5,3437.5) 4967.5,3437.5 5009,3479 v1(5080,3479) ; v1(4890,3600) 4890,3625 4965,3700 v1(4990,3700) ; v1(4912.5,3347.5) v1(5020,3455) ; v1(5030,3615) 5030,3695 5170,3835 5260,3835 v1(5295,3800) ; 5040,4650 5095,4595 5856.26,4595 5980.26,4471 6026,4471 6033.99,4478.99 6033.99,4532.28 ; v1(5065,3615) 5065,3705 5175,3815 5235,3815 v1(5265,3785) ; v1(5070,4150) 5254.6,4150 5427.12,3977.47 ; v1(5105,3615) 5105,3710 5190,3795 5215,3795 v1(5240,3770) ; v1(5155,3665) 5196.89,3665 5315.77,3783.88 5381.89,3850 5505,3850 5540,3815 5653.11,3815 5704.23,3866.12 5748.11,3910 v1(5855,3910) 5855,3790 v1(5830,3765) ; 5170,2535 4650,2535 4595,2590 4595,3325 4665,3395 4735,3325 4968.24,3325 5371.45,3728.2 ; v1(5205,4065) 5260.01,4065 5381.43,3943.58 5381.43,3935.72 5385.37,3935.72 ; v1@5268.24,4025 5371.45,3921.8 ; v1(5292.5,2947.5) 5292.5,2977.5 5380,3065 5380,3340 5490,3450 v1(5490,3620) ; 5337.69,3182.69 v1(5337.69,3277.31) ; v1(5375,1870) v1(5375,2365) ; 5430,3180 5485,3180 5515,3210 5846.1,3210 5891.61,3164.49 5955.51,3164.49 5985,3135 5985,2835 5985,2730 5985,2690 5965,2670 5615,2670 5590,2695 5590,2730 ; v1(5525,3620) 5525,3565 5540,3550 v1(5570,3550) ; 5550.41,3631.48 5595,3586.89 v2(5595,3335) 5595,3310 5560,3275 5430,3275 5465,3240 5710,3240 v1(5795,3325) ; 5551.12,4019.23 5942.89,4411 6196,4411 6280,4495 6405,4495 ; 5564.33,3645.39 5650,3559.73 5650,3495 ; 5565.04,4005.31 5954.73,4395 6405,4395 ; 5578.25,3659.31 5740,3497.56 v1(5740,3470) ; 5578.96,3991.39 5882.56,4295 6405,4295 ; 5590,2825 5590,2730 ; 5592.17,3673.23 6250,3015.4 6250,2730 6285,2695 6405,2695 ; 5592.88,3977.47 5810.4,4195 6405,4195 ; 5606.09,3687.15 6275,3018.24 6275,2830 6310,2795 6405,2795 ; 5606.8,3963.55 5738.24,4095 6405,4095 ; 5620.01,3701.07 5620.01,3699.99 6295,3025 6295,2935 6335,2895 6405,2895 ; 5620.72,3949.63 5726.08,4055 6345,4055 6405,3995 ; 5633.93,3714.99 6353.92,2995 6405,2995 ; 5634.63,3935.72 5728.92,4030 6205,4030 6340,3895 6405,3895 ; 5647.85,3728.91 6281.76,3095 6405,3095 6370,3060 v1(6325,3060) ; 5648.55,3921.8 5731.76,4005 6085,4005 6295,3795 6405,3795 6295,3905 v1(6235,3905) ; 5661.77,3742.83 6209.6,3195 6405,3195 6450,3150 6450,2677.12 6423.42,2650.54 6385.54,2650.54 6255,2520 6145,2520 ; 5662.47,3907.88 5739.6,3985 6055,3985 6345,3695 6405,3695 ; 5675.69,3756.75 6137.44,3295 6405,3295 ; 5676.39,3893.96 5747.44,3965 5960,3965 6330,3595 6405,3595 ; 5680,2730 5680,2825 5680,3070 5710,3100 v2(5710,3110) ; 5689.61,3770.67 6065.27,3395 6405,3395 6449.46,3350.54 6449.46,3276.58 6423.42,3250.54 6200.54,3250.54 v1(6200,3250) ; 5690.31,3880.04 5750.27,3940 5945,3940 6335,3550 6430,3550 6475,3505 6475,2665 6405,2595 6405,2475 6335,2405 6235,2405 6145,2315 6145,2215 6145,2115 6145,2020 ; 5703.52,3784.59 5993.11,3495 6405,3495 ; 5760,3770 5800,3730 5885,3730 5910,3755 5910,3865 5925,3880 5960,3880 6035,3805 ; v1(5810,3425) 5955,3280 v1(5955,3240) ; v1(5945,4145) v1(6130,4145) ; v1(5955,1865) v1(5955,2370) v1(5955,2645) ; v1(5955,2885) v1(5955,3085) ; 5987.99,4545.28 5954.72,4545.28 5934.99,4565.01 5934.99,4637.28 6233.99,4637.28 6233.99,4558.99 6220.28,4545.28 6181.99,4545.28 ; v1(5990,4450) 6040,4450 6059.49,4469.49 6059.49,4532.28 ; v1(6050,3120) 6050,2785 6145,2690 6145,2610 ; v1(6080,2960) v1(6210,2960) ; v1(6085,4450) 6084.99,4532.28
  Bottom Layer w20: 4665,2425 4595,2355 4595,1691.2 4714.78,1571.41 4721.56,1571.41 4721.98,1571 5086,1571 5135,1620 5235,1620 5235,1720 ; 4735,1620 4835,1620 ; 4735,1720 4835,1720 ; 4935,1720 4935,1620 5035,1620 5035,1720 5100,1785 5805,1785 5895,1875 v2(5895,2505) ; 5135,1720 5235,1720 ; 5230,4640 5230,4645 5300,4715 5857.27,4715 5934.99,4637.28 ; v2(5875,2985) 5875,2935 5895,2915 5895,2835 v2(5895,2730) ; v2(5935,3610) 5935,3805 v2(5965,3835) ; v2(6055,2610) 6055,2520 6055,2315 6055,2215 6055,2115 6055,2020 6055,1820 5955,1720 5235,1720

## Polygon pours and split planes (outlines as drawn)
GND on Top Layer "Keep-Out Layer-No Net" (hatched 90Degree grid 20 track 8, remove dead copper, pour order 28): 3095,4630 3175,4550 4485,4550 4485,1880 4370,1765 4250,1885 2975,1885

## Keep-outs
Keep-Out Layer:
  lines w10: 3215,2000 3225,1990 4375,1990 4400,2015 4400,3285 4555,3285 4555,1675 ccw(c4680,1675) 4680,1550 6380,1550 ccw(c6380,1675) 6505,1675 6505,4615 ccw(c6378.39,4615) 6378.39,4741.61 4676.61,4741.61 ccw(c4676.61,4620) 4555,4620 4555,3790 4400,3790 4400,4400 4360,4440 3255,4440 3230,4415 3215,4400 3215,4350 3215,2000

## Silkscreen, mask and mechanical layers (free items; w line width, h text height)
Top Overlay:
  drawing of 2571 lines, arcs and shapes, not listed
  text "GND" at 5205,4705 h20
  text "5V" at 5310,4705 h20
  text "D0" at 5410,4705 h20
  text "D1" at 5510,4705 h20
  text "RES" at 5605,4705 h20
  text "DC" at 5715,4705 h20
  text "CS" at 5815,4705 h20
  text "3v3" at 4725,4485 h20
  text "A3" at 6300,4480 h20
  text "A2" at 4735,4395 h20
  text "A4" at 6305,4385 h20
  text "A1" at 4735,4285 h20
  text "A5" at 6305,4285 h20
  text "B11" at 4195,4215 h20
  text "B12" at 3390,4205 h20
  text "A0" at 4735,4190 h20
  text "A6" at 6310,4185 h20
  text "B13" at 3390,4110 h20
  text "B10" at 4185,4110 h20
  text "NRST" at 4725,4085 h20
  text "A7" at 6310,4080 h20
  text "B14" at 3390,4010 h20
  text "B2" at 4205,4005 h20
  text "C15" at 4730,3985 h20
  text "B0" at 6310,3985 h20
  text "B15" at 3390,3910 h20
  text "B1" at 4210,3910 h20
  text "B1" at 6315,3890 h20
  text "C14" at 4730,3885 h20
  text "A8" at 3395,3810 h20
  text "B0" at 4200,3810 h20
  text "C13" at 4730,3785 h20
  text "B2" at 6310,3785 h20
  text "A9" at 3390,3710 h20
  text "A7" at 4200,3705 h20
  text "VBAT" at 4730,3685 h20
  text "B10" at 6295,3685 h20
  text "A10" at 3390,3610 h20
  text "A6" at 4200,3610 h20
  text "B9" at 4735,3585 h20
  text "B11" at 6300,3585 h20
  text "A11" at 3390,3510 h20
  text "A5" at 4195,3510 h20
  text "B8" at 4730,3485 h20
  text "B12" at 6295,3485 h20
  text "A12" at 3390,3415 h20
  text "A4" at 4200,3410 h20
  text "BOOT0" at 4730,3390 h20
  text "B13" at 6295,3385 h20
  text "A3" at 4195,3310 h20
  text "DIO" at 3390,3305 h20
  text "B7" at 4735,3285 h20
  text "B14" at 6295,3285 h20
  text "A2" at 4200,3215 h20
  text "GND" at 3390,3210 h20
  text "B15" at 6295,3185 h20
  text "B6" at 4735,3180 h20
  text "3.3V" at 3385,3110 h20
  text "A1" at 4205,3110 h20
  text "B5" at 4735,3085 h20
  text "A8" at 6305,3085 h20
  text "CLK" at 3390,3015 h20
  text "A0" at 4195,3005 h20
  text "A9" at 6305,2990 h20
  text "TRST" at 4730,2985 h20
  text "TDI" at 3390,2910 h20
  text "NRST" at 4160,2910 h20
  text "JIDO" at 4730,2885 h20
  text "A10" at 6290,2885 h20
  text "B3" at 3395,2815 h20
  text "C15" at 4185,2805 h20
  text "TDI" at 4735,2785 h20
  text "A11" at 6300,2785 h20
  text "B4" at 3390,2715 h20
  text "C14" at 4185,2710 h20
  text "CLK" at 4735,2690 h20
  text "A12" at 6290,2685 h20
  text "B5" at 3390,2610 h20
  text "C13" at 4180,2605 h20
  text "DIO" at 4735,2590 h20
  text "GND" at 6285,2590 h20
  text "B6" at 3390,2510 h20
  text "VBAT" at 4165,2510 h20
  text "3V3" at 4735,2420 h20
  text "B7" at 3390,2415 h20
  text "B9" at 4200,2405 h20
  text "DIO" at 4735,2320 h20
  text "BOOT0" at 3380,2305 h20
  text "BOOT0" at 3380,2305 h20
  text "B8" at 4200,2305 h20
  text "CLK" at 4735,2215 h20
  text "GND" at 4735,2115 h20
  text "3V3" at 5160,1665 h20
  text "GND" at 4760,1660 h20
  text "5V" at 4970,1660 h20

## Text inside footprints (layer, text, board x,y; h text height)
K2: Bottom Overlay "ON" at 4820,4690 h30 r90